# Altium PCB Driver_BLDC.PcbDoc (part 1 of 3) (continued)
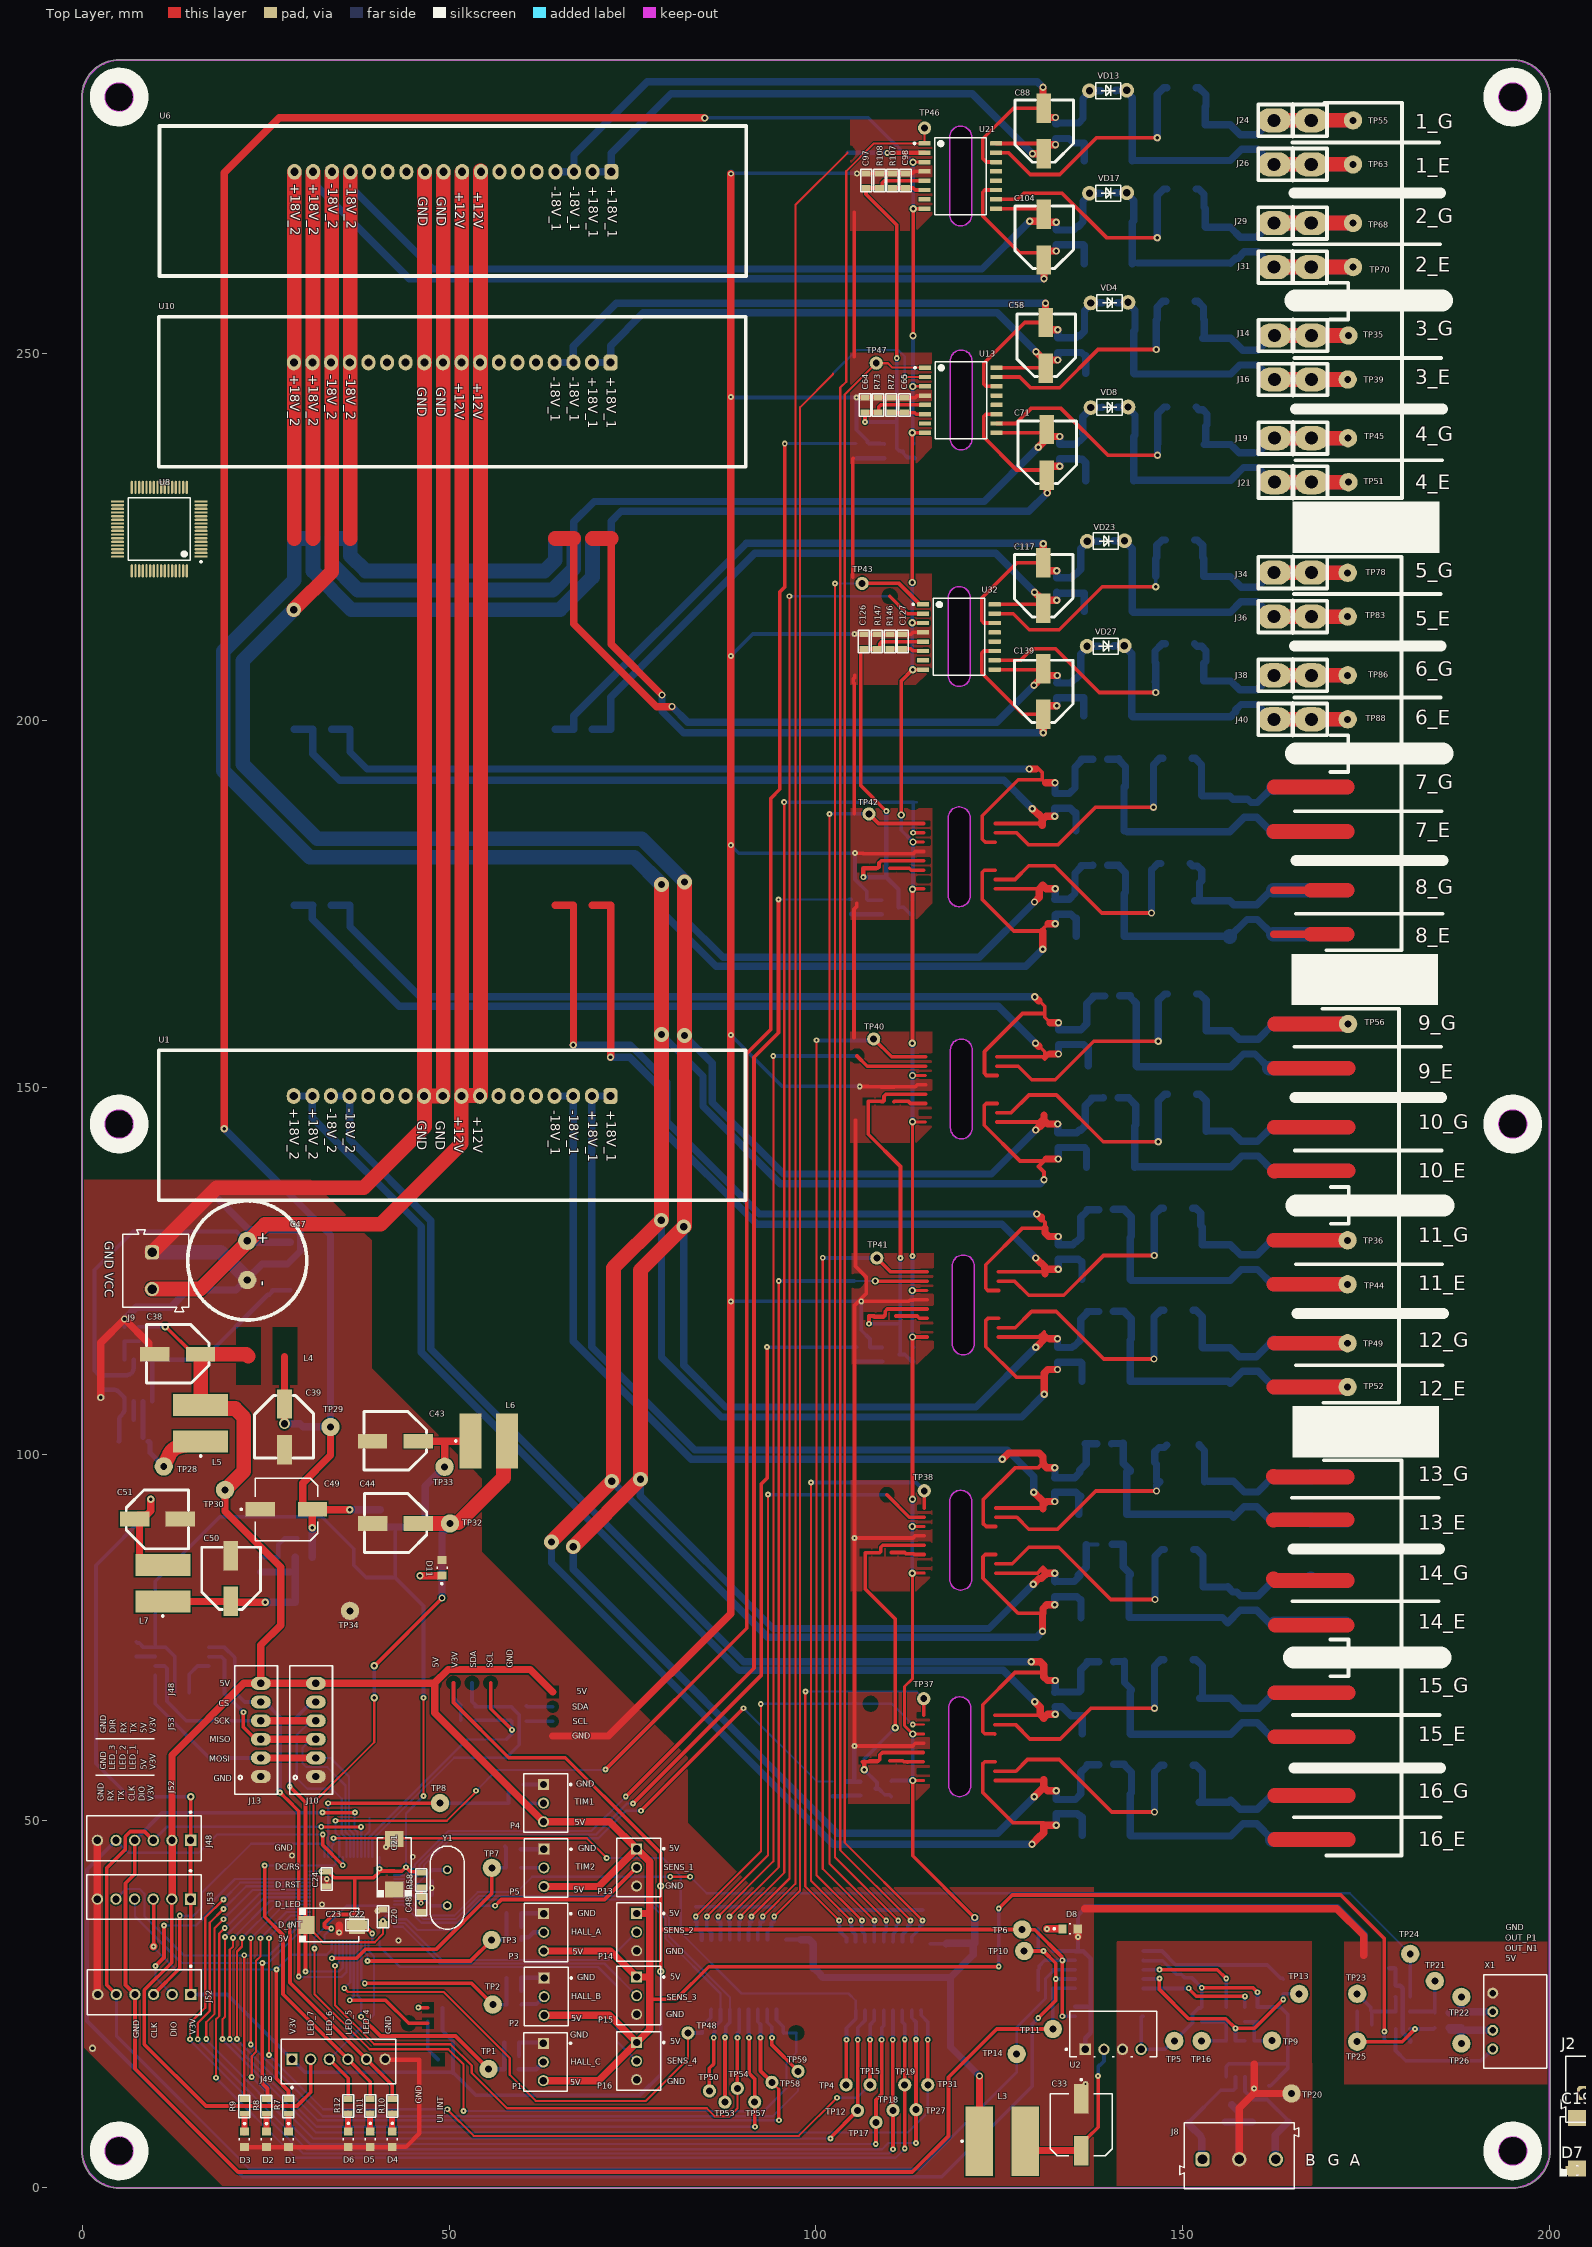
[diagram p0: Top Layer view]
## Components (designator, comment, footprint, x,y, rotation, side; value= is the part's Value field where it differs from the comment) (continued)
R16 "10K" RES-0805 105.705,19.775 r90 bottom
R17 "10K" RES-0805 107.375,19.775 r90 bottom
R18 "10K" RES-0805 108.965,19.775 r90 bottom
R19 "10K" RES-0805 110.475,19.775 r90 bottom
R20 "10K" RES-0805 112.105,19.775 r90 bottom
R21 "10K" RES-0805 113.65,19.775 r90 bottom
R22 "20K" RES-0805 59.087,52.421 r180 bottom
R23 "20K" RES-0805 58.757,43.591 r180 bottom
R24 "10K" RES-0805 161.732,12.892 r90 bottom
R25 "10K" RES-0805 131.303,29.712 r180 bottom
R26 "10K" RES-0805 160.207,23.632 r90 bottom
R27 "10K" RES-0805 152.592,23.632 r90 bottom
R28 "10K" RES-0805 131.303,27.172 r180 bottom
R29 "30K" RES-0805 59.087,54.961 r180 bottom
R30 "30K" RES-0805 58.757,46.131 r180 bottom
R31 "10K" RES-0805 115.25,19.775 r90 bottom
R32 "100" RES-0805 158.477,23.632 r90 bottom
R33 "10K" RES-0805 103.17,36.851 r270 bottom
R34 "10K" RES-0805 104.726,36.851 r270 bottom
R35 "10K" RES-0805 106.271,36.851 r270 bottom
R36 "100" RES-0805 155.937,23.632 r90 bottom
R37 "10K" RES-0805 107.94,36.851 r270 bottom
R38 "10K" RES-0805 163.712,27.412 r270 bottom
R39 "220" RES-0805 131.303,35.287 r180 bottom
R40 "10K" RES-0805 131.303,32.252 r180 bottom
R41 "10K" RES-0805 156.662,12.292 r90 bottom
R42 "10K" RES-0805 109.58,36.851 r270 bottom
R43 "10K" RES-0805 111.225,36.851 r270 bottom
R44 "10K" RES-0805 112.915,36.851 r270 bottom
R45 "10K" RES-0805 114.534,36.851 r270 bottom
R46 "220" RES-0805 84.49,20.075 r90 bottom
R47 "220" RES-0805 86.065,20.07 r90 bottom
R49 "10K" RES-0805 185.363,23.818 r180 bottom locked
R50 "1K" RES-0805 180.013,25.998 r180 bottom locked
R51 "10K" RES-0805 185.363,21.808 r180 bottom locked
R52 "47K" RES-0805 180.013,27.838 r180 bottom locked
R53 "10K" RES-0805 174.793,22.188 r0 bottom locked
R54 "0.33" RES-2512 27.1,125.6 r270 bottom
R55 "220" RES-0805 48.065,83.377 r0 bottom
R56 "3.8K" RES-0805 7.64,116.369 r270 bottom
R57 "1.2K" RES-0805 5.74,116.369 r270 bottom
R58 "10K" RES-0805 46.195,41.924 r90 top
R59 "10K" RES-0805 39.159,51.407 r270 bottom
R60 "10" RES-2512 149.672,253.358 r0 bottom
R61 "10K" RES-0805 159.692,249.478 r90 bottom
R62 "1K" RES-2512 140.056,248.538 r180 bottom
R72 "100K" RES-0805 110.263,243.012 r270 top
R73 "10K" RES-0805 108.473,243.022 r270 top
R76 "3K" RES-0805 113.561,236.72 r270 bottom
R77 "10" RES-2512 149.856,238.928 r0 bottom
R81 "10K" RES-0805 159.672,235.498 r90 bottom
R82 "1K" RES-2512 140.042,233.928 r180 bottom
R84 "1K" RES-0805 105.494,236.77 r270 bottom
R88 "10K" RES-0805 107.415,236.77 r90 bottom
R92 "10" RES-2512 149.81,282.443 r0 bottom
R95 "10K" RES-0805 159.5,278.873 r90 bottom
R96 "1K" RES-2512 139.87,277.513 r180 bottom
R104 "3K" RES-0805 113.162,174.563 r270 bottom
R107 "100K" RES-0805 110.45,273.603 r270 top
R108 "10K" RES-0805 108.667,273.603 r270 top
R111 "1K" RES-0805 104.803,174.643 r270 bottom
R113 "10K" RES-0805 106.937,174.643 r90 bottom
R115 "10" RES-2512 149.81,268.563 r0 bottom
R118 "10K" RES-0805 159.59,264.903 r90 bottom
R119 "1K" RES-2512 139.87,263.513 r180 bottom
R131 "10" RES-2512 149.605,220.869 r0 bottom
R132 "3K" RES-0805 113.348,113.575 r270 bottom
R135 "10K" RES-0805 159.73,217.184 r90 bottom
R136 "1K" RES-2512 139.86,216.114 r180 bottom
R140 "1K" RES-0805 105.53,113.575 r270 bottom
R143 "10K" RES-0805 107.37,113.575 r90 bottom
R146 "100K" RES-0805 110.095,210.764 r270 top
R147 "10K" RES-0805 108.315,210.764 r270 top
R149 "10" RES-2512 149.61,206.614 r0 bottom
R152 "10K" RES-0805 159.55,203.184 r90 bottom
R153 "1K" RES-2512 139.8,201.873 r180 bottom
TP1 "" Test_Point#1 55.372,16.167 r0 top
TP2 "" Test_Point#1 55.948,24.951 r0 top
TP3 "" Test_Point#1 55.793,33.754 r0 top
TP4 "Test_Point_PCB" Test_Point#2 104.125,14.011 r0 top
TP5 "Test_Point_PCB" Test_Point#1 148.858,20.002 r0 top
TP6 "" Test_Point#1 128.125,35.198 r90 top
TP7 "" Test_Point#1 55.823,43.591 r90 top
TP8 "" Test_Point#1 48.75,52.421 r90 top
TP9 "Test_Point_PCB" Test_Point#1 162.184,20.027 r0 top
TP10 "Test_Point_PCB" Test_Point#1 128.397,32.252 r90 top
TP11 "Test_Point_PCB" Test_Point#1 132.303,21.628 r180 top
TP12 "Test_Point_PCB" Test_Point#2 105.675,10.5 r90 top
TP13 "Test_Point_PCB" Test_Point#1 165.876,26.412 r90 top
TP14 "Test_Point_PCB" Test_Point#1 127.375,18.224 r180 top
TP15 "Test_Point_PCB" Test_Point#2 107.375,14.011 r90 top
TP16 "" Test_Point#1 152.592,20.002 r0 top
TP17 "Test_Point_PCB" Test_Point#2 108.2,8.9 r90 top
TP18 "Test_Point_PCB" Test_Point#2 110.512,10.537 r90 top
TP19 "Test_Point_PCB" Test_Point#2 112.105,14.011 r90 top
TP20 "Test_Point_PCB" Test_Point#1 164.842,12.822 r90 top
TP21 "Test_Point_PCB" Test_Point#1 184.373,28.158 r180 top locked
TP22 "Test_Point_PCB" Test_Point#1 187.993,25.998 r180 top locked
TP23 "Test_Point_PCB" Test_Point#1 173.793,26.418 r180 top locked
TP24 "Test_Point_PCB" Test_Point#1 181.023,31.868 r180 top locked
TP25 "Test_Point_PCB" Test_Point#1 173.793,19.891 r180 top locked
TP26 "Test_Point_PCB" Test_Point#1 187.993,19.638 r180 top locked
TP27 "Test_Point_PCB" Test_Point#2 113.65,10.625 r90 top
TP28 "Test_Point_PCB" Test_Point#1 11.09,98.319 r90 top
TP29 "Test_Point_PCB" Test_Point#1 33.83,103.699 r90 top
TP30 "Test_Point_PCB" Test_Point#1 19.45,95.125 r90 top
TP31 "Test_Point_PCB" Test_Point#2 115.25,14.011 r90 top
TP32 "Test_Point_PCB" Test_Point#1 50.111,90.534 r270 top
TP33 "Test_Point_PCB" Test_Point#1 49.38,98.269 r270 top
TP34 "Test_Point_PCB" Pin_Test_Point(Orange) 36.475,78.625 r90 top
TP35 "Test_Point_PCB" Test_Point#1 172.592,252.498 r90 top
TP36 "Test_Point_PCB" Test_Point#1 172.486,129.149 r90 top
TP37 "Test_Point_PCB" Test_Point#2 114.699,66.652 r90 top
TP38 "Test_Point_PCB" Test_Point#2 114.769,94.997 r90 top
TP39 "Test_Point_PCB" Test_Point#1 172.502,246.498 r90 top
TP40 "Test_Point_PCB" Test_Point#2 107.875,156.6 r90 top
TP41 "Test_Point_PCB" Test_Point#2 108.303,126.725 r90 top
TP42 "Test_Point_PCB" Test_Point#2 107.225,187.275 r90 top
TP43 "Test_Point_PCB" Test_Point#2 106.292,218.7 r90 top
TP44 "Test_Point_PCB" Test_Point#1 172.486,123.149 r90 top
TP45 "Test_Point_PCB" Test_Point#1 172.542,238.498 r90 top
TP46 "Test_Point_PCB" Test_Point#2 114.815,280.779 r90 top
TP47 "Test_Point_PCB" Test_Point#2 108.225,248.725 r90 top
TP48 "Test_Point_PCB" Test_Point#2 82.55,21.08 r90 top
TP49 "Test_Point_PCB" Test_Point#1 172.486,115.109 r90 top
TP50 "Test_Point_PCB" Test_Point#2 85.475,13.174 r90 top
TP51 "Test_Point_PCB" Test_Point#1 172.592,232.498 r90 top
TP52 "Test_Point_PCB" Test_Point#1 172.486,109.149 r90 top
TP53 "Test_Point_PCB" Test_Point#2 87.6,11.65 r90 top
TP54 "Test_Point_PCB" Test_Point#2 89.291,13.536 r90 top
TP55 "Test_Point_PCB" Test_Point#1 173.226,281.823 r90 top
TP56 "Test_Point_PCB" Test_Point#1 172.554,158.639 r90 top
TP57 "Test_Point_PCB" Test_Point#2 91.65,11.675 r90 top
TP58 "Test_Point_PCB" Test_Point#2 94,14.35 r90 top
TP59 "Test_Point_PCB" Test_Point#2 97.575,15.854 r90 top
TP63 "Test_Point_PCB" Test_Point#1 173.226,275.823 r90 top
TP68 "Test_Point_PCB" Test_Point#1 173.226,267.823 r90 top
TP70 "Test_Point_PCB" Test_Point#1 173.226,261.823 r90 top
TP78 "Test_Point_PCB" Test_Point#1 172.5,220.144 r90 top
TP83 "Test_Point_PCB" Test_Point#1 172.5,214.174 r90 top
TP86 "Test_Point_PCB" Test_Point#1 172.5,206.174 r90 top
TP88 "Test_Point_PCB" Test_Point#1 172.5,200.174 r90 top
U1 "DC-DC" DC-DC_Bridge 10.395,150.109 r180 top locked
U2 "B0505S-1W" B0505S-1W 140.533,20.947 r0 top locked
U3 "MAX485" SOIC-8-MFG 157.842,17.562 r270 bottom
U4 "ADUM1401BRWZ" ADI-RW-16_M 139.993,27.807 r0 bottom
U5 "" SOT-23-5 180.013,22.818 r270 bottom locked
U6 "DC-DC" DC-DC_Bridge 10.505,276.109 r180 top locked
U7 "MC34063" SOIC-8_M 7.64,110.009 r90 bottom
U8 "STM32F722RET6" LQFP64-5W-IPC_A 10.485,226.109 r180 top locked
U9 "AMS1117-3v3" SOT-223-3 43.71,90.059 r90 bottom
U10 "DC-DC" DC-DC_Bridge 10.415,250.109 r180 top locked
U11 "AMS1117-3v3" SOT-223-3 29.02,82.869 r0 bottom
U13 "UCC21520DW" FP-DW0016B-MFG 119.762,243.668 r0 top
U15 "W25Q128" WINB-SOIC-8_M 13.568,71.742 r180 bottom
U16 "SN74HC541DWR" DW0020A_L 109.875,28.85 r90 bottom
U21 "UCC21520DW" FP-DW0016B-MFG 119.69,274.233 r0 top
U32 "UCC21520DW" FP-DW0016B-MFG 119.5,211.394 r0 top
VD2 "SMBJ18CA" DO-214AA 156.542,247.618 r90 bottom
VD4 "5.1V" DO-35 140.056,256.956 r180 top
VD6 "SMBJ18CA" DO-214AA 156.542,233.138 r90 bottom
VD8 "5.1V" DO-35 140.056,242.698 r180 top
VD11 "SMBJ18CA" DO-214AA 156.49,276.723 r90 bottom
VD13 "5.1V" DO-35 139.87,285.883 r180 top
VD15 "SMBJ18CA" DO-214AA 156.5,262.763 r90 bottom
VD17 "5.1V" DO-35 139.87,271.913 r180 top
VD21 "SMBJ18CA" DO-214AA 156.51,215.144 r90 bottom
VD23 "5.1V" DO-35 139.57,224.474 r180 top
VD25 "SMBJ18CA" DO-214AA 156.55,200.904 r90 bottom
VD27 "5.1V" DO-35 139.54,210.153 r180 top
X1 "CONN-4-PIN" CONN-PLS-4-2.54mm 192.275,18.9 r90 top locked
Y1 "FOXSLF/120-20" FOX-FOXSLF-2_V 49.737,40.886 r90 top
ZD1 "P6SMB16CA" DO-214AA 164.272,8.862 r180 bottom
ZD2 "P6SMB16CA" DO-214AA 151.187,8.862 r0 bottom

## Footprints (in the part's own frame and the unit in brackets; to place one, negate y for a bottom-side part, rotate by r counter-clockwise, add the part's x,y. Pads: shape width x height; smd on the part's side, far side on the other; paste and mask are expansions set on the pad)
61900311121 [mm] "2.54mm Male Locking Header, 3p"
  rect 1.5x1.5 hole 1: 1(2.54,0.3)
  round 1.5 hole 1: 2(0,0.3) 3(-2.54,0.3)
  silkscreen extent -3.98,-3.52 3.98,2.98, body extent -3.81,-2.9 3.81,2.9, height 11.53
691101710002 [mm] "5,00mm - modular - blue - Horizontal entry with pressure clamp - 12,6mm height - 02p"
  rrect50% 1.95x1.95 hole 1.3: 1(-2.5,-0.5)
  round 1.95 hole 1.3: 2(2.5,-0.5)
  silkscreen extent -5.6,-4.5 5.6,4.5, body extent -5.6,-4.5 5.6,4.5, height 12.65
691101710003 [mm] "5,00mm - modular - blue - Horizontal entry with pressure clamp - 12,6mm height - 03p"
  rrect50% 1.95x1.95 hole 1.3: 1(-5,-0.5)
  round 1.95 hole 1.3: 2(0,-0.5) 3(5,-0.5)
  silkscreen extent -8.1,-4.5 8.1,4.5, body extent -8.1,-4.5 8.1,4.5, height 12.65
ADI-RW-16_M [mm] "SOIC, 16-Leads, Body 10.3x7.5mm, Pitch 1.27mm, IPC Low Density"
  oval 2.6x0.7 smd: 1(-4.625,4.445) 2(-4.625,3.175) 3(-4.625,1.905) 4(-4.625,0.635) 5(-4.625,-0.635) 6(-4.625,-1.905) 7(-4.625,-3.175) 8(-4.625,-4.445) 9(4.625,-4.445) 10(4.625,-3.175) 11(4.625,-1.905) 12(4.625,-0.635) 13(4.625,0.635) 14(4.625,1.905) 15(4.625,3.175) 16(4.625,4.445)
  silkscreen extent -4.75,-5.25 2.93,5.47, body extent -3.8,-5.25 3.8,5.25, height 2.65
B6B-XH-TW [mm]
  oval 1.75x2.7 hole 1: 1(-6.35,-0.635) 2(-3.81,-0.635) 3(-1.27,-0.635) 4(1.27,-0.635) 5(3.81,-0.635) 6(6.35,-0.635)
  silkscreen extent -8.76,-2.92 8.76,2.92, body extent -8.75,-2.88 8.75,2.88, height 6.88
B0505S-1W [mm]
  rect 1.55x1.55 hole 1 paste-2539.97 mask+0: 1(-3.81,-2.1)
  round 1.55 hole 1 paste-2539.97 mask+0: 2(-1.27,-2.1) 3(1.27,-2.1) 4(3.81,-2.1)
  silkscreen extent -6.52,-3.13 5.92,3.13, body extent -6.02,-3.22 6.02,3.22, height 0.25
CAP-0805 [mm]
  rect 0.8x1.25 smd mask+0.015: 1(-1,0) 2(1,0)
  silkscreen extent -1.52,-0.76 1.52,0.76, body extent -1,-0.62 1,0.63, height 0.8
CAP-TAN-D [mm]
  rect 2.2x2.5 smd: 1(-3.45,0) 2(3.45,0)
  silkscreen extent -4.5,-2.4 3.65,2.4, body extent -3.8,-2.3 3.8,2.3, height 4
CAP_SMD_Size_E [mm]
  rect 4x2 smd: 1(3.175,0) 2(-3.048,0)
  silkscreen extent -4.19,-3.94 4.32,4.06, body extent -4.25,-4 4.25,4, height 10.59
CAP_SMD_Size_G [mm]
  rect 4x2 smd paste+0 mask+0: 1(3.55,0) 2(-3.55,0)
  silkscreen extent -6.27,-4.25 4.25,4.25, body extent -5.8,-4.5 5.8,4.5, height 0.25
CONN-PLS-4-2.54mm [mm]
  round 1.5 hole 0.9: 1(0,0) 2(2.54,0) 3(5.08,0) 4(7.62,0)
  silkscreen extent -2.6,-7.37 10.15,1.25, body extent -2.45,-7.3 10.05,0.3, height 5.9
DC-DC_Bridge [mm]
  rrect50% 1.905x2.159 hole 1.1: 1(-61.595,1.294)
  oval 1.905x2.159 hole 1.1: 2(-59.055,1.294) 3(-56.515,1.294) 4(-53.975,1.294) 5(-51.435,1.294) 6(-48.895,1.294) 7(-46.355,1.294) 8(-43.815,1.294) 9(-41.275,1.294) 10(-38.735,1.294) 11(-36.195,1.294) 12(-33.655,1.294) 13(-31.115,1.294) 14(-28.575,1.294) 15(-26.035,1.294) 16(-23.495,1.294) 17(-20.955,1.294) 18(-18.415,1.294)
  silkscreen extent -80.01,-4.95 -0.01,15.5, body extent -80,-4.89 0,15.5, height 84
DO-35 [mm]
  round 2 hole 1: 1(-2.5,-0.05) 2(2.575,0.025)
  silkscreen extent -1.68,-1.1 1.75,1.1, body extent -2.82,-0.9 2.82,0.9, height 1.82
DO-214AA [mm]
  rect 2.4x2.4 smd: 1(-0.381,0) 2(4.5,0)
  silkscreen extent 1.02,-1.91 6.35,1.91, body extent -0.75,-1.97 4.85,1.97, height 2.65
DW0020A_L [mm] "SOIC, 20-Leads, Body 13x7.6mm, Pitch 1.27mm, IPC High Density"
  rrect18% 1.7x0.55 smd: 1(-4.65,5.715) 2(-4.65,4.445) 3(-4.65,3.175) 4(-4.65,1.905) 5(-4.65,0.635) 6(-4.65,-0.635) 7(-4.65,-1.905) 8(-4.65,-3.175) 9(-4.65,-4.445) 10(-4.65,-5.715) 11(4.65,-5.715) 12(4.65,-4.445) 13(4.65,-3.175) 14(4.65,-1.905) 15(4.65,-0.635) 16(4.65,0.635) 17(4.65,1.905) 18(4.65,3.175) 19(4.65,4.445) 20(4.65,5.715)
  silkscreen extent -4.77,-6.5 3.4,6.67, body extent -5.16,-6.4 5.16,6.4, height 2.52
FOX-FOXSLF-2_V [mm] "THD, 2-Leads, Body 11.35x4.65mm, Pitch 4.88mm"
  round 1.2 hole 0.7: 1(-2.44,0) 2(2.44,0)
  silkscreen extent -5.68,-2.32 5.68,2.32, body extent -5.67,-2.32 5.68,2.32, height 3.6
FP-C0805C-DN-MFG [mm]
  rect 0.95x1.35 smd paste+0 mask+0: 1(-0.75,0) 2(0.75,0)
  silkscreen extent -1.1,-1.07 1.1,1.07, body extent -1,-0.63 1,0.63, height 0.88
FP-DW0016B-MFG [mm]
  rrect17% 1.65x0.6 smd paste+0 mask+0: 1(-4.875,4.445) 2(-4.875,3.175) 3(-4.875,1.905) 4(-4.875,0.635) 5(-4.875,-0.635) 6(-4.875,-1.905) 7(-4.875,-3.175) 8(-4.875,-4.445) 9(4.875,-4.445) 10(4.875,-3.175) 11(4.875,-1.905) 12(4.875,-0.635) 13(4.875,0.635) 14(4.875,1.905) 15(4.875,3.175) 16(4.875,4.445)
  silkscreen extent -6.37,-5.25 3.5,5.25, body extent -5.15,-5.15 5.15,5.15, height 2.65
FP-GRM21B-0_1-IPC_C [mm]
  rect 0.958x1.262 smd paste+0 mask+0: 1(-0.727,0) 2(0.727,0)
  silkscreen extent -1.21,-1.07 1.21,1.07, body extent -1,-0.63 1,0.63, height 1.35
"HITANO 3300uF 25V  16x25" [mm]
  round 2.5 hole 1: 1(-2.667,0) 2(2.667,0)
  silkscreen extent -8.12,-8.12 8.12,8.12, body extent -8.15,-8.14 8.16,8.16, height 25.87
INF-SOT23_N [mm] "SOT23, 3-Leads, Body 2.9x1.3 mm, Pitch 0.95 mm, IPC Medium Density"
  rect 1.05x0.6 smd: 1(-1.15,0.95) 2(-1.15,-0.95) 3(1.15,0)
  silkscreen extent -1.27,-1.5 0.7,1.92, body extent -0.7,-1.5 0.7,1.5, height 1.1
Klema_PCB_15A [mil]
  oval 180x130 hole 70: 1(-100,0) 1(100,0)
  silkscreen extent -185,-85 185,85, body extent -161,-16 161,16, height 505
LED_BLUE [mm]
  rect 1.1x1.2 smd paste+0 mask+0: 1(-1.05,0) 2(1.05,0)
  silkscreen extent -2.27,-0.67 0.13,0.67, body extent -1,-0.63 1,0.63, height 0.8
LED_GREEN [mm]
  rect 1.1x1.2 smd paste+0 mask+0: 1(-1.05,0) 2(1.05,0)
  silkscreen extent -2.27,-0.67 0.13,0.67, body extent -1,-0.63 1,0.63, height 0.8
LED_RED [mm]
  rect 1.1x1.2 smd paste+0 mask+0: 1(-1.05,0) 2(1.05,0)
  silkscreen extent -2.27,-0.67 0.13,0.67, body extent -1.7,-0.77 1.7,0.77, height 0.25
LED_YELLOW [mm]
  rect 1.1x1.2 smd paste+0 mask+0: 1(-1.05,0) 2(1.05,0)
  silkscreen extent -2.27,-0.67 0.13,0.67, body extent -1,-0.63 1,0.63, height 0.8
LQFP64-5W-IPC_A [mm]
  rect 1.788x0.312 smd paste+0 mask+0: 1(-5.691,3.75)
  rrect100% 1.788x0.312 smd paste+0 mask+0: 2(-5.691,3.25) 3(-5.691,2.75) 4(-5.691,2.25) 5(-5.691,1.75) 6(-5.691,1.25) 7(-5.691,0.75) 8(-5.691,0.25) 9(-5.691,-0.25) 10(-5.691,-0.75) 11(-5.691,-1.25) 12(-5.691,-1.75) 13(-5.691,-2.25) 14(-5.691,-2.75) 15(-5.691,-3.25) 16(-5.691,-3.75) 33(5.691,-3.75) 34(5.691,-3.25) 35(5.691,-2.75) 36(5.691,-2.25) 37(5.691,-1.75) 38(5.691,-1.25) 39(5.691,-0.75) 40(5.691,-0.25) 41(5.691,0.25) 42(5.691,0.75) 43(5.691,1.25) 44(5.691,1.75) 45(5.691,2.25) 46(5.691,2.75) 47(5.691,3.25) 48(5.691,3.75)
  rrect100% 0.312x1.788 smd paste+0 mask+0: 17(-3.75,-5.691) 18(-3.25,-5.691) 19(-2.75,-5.691) 20(-2.25,-5.691) 21(-1.75,-5.691) 22(-1.25,-5.691) 23(-0.75,-5.691) 24(-0.25,-5.691) 25(0.25,-5.691) 26(0.75,-5.691) 27(1.25,-5.691) 28(1.75,-5.691) 29(2.25,-5.691) 30(2.75,-5.691) 31(3.25,-5.691) 32(3.75,-5.691) 49(3.75,5.691) 50(3.25,5.691) 51(2.75,5.691) 52(2.25,5.691) 53(1.75,5.691) 54(1.25,5.691) 55(0.75,5.691) 56(0.25,5.691) 57(-0.25,5.691) 58(-0.75,5.691) 59(-1.25,5.691) 60(-1.75,5.691) 61(-2.25,5.691) 62(-2.75,5.691) 63(-3.25,5.691) 64(-3.75,5.691)
  silkscreen extent -5.82,-4.25 4.25,4.58, body extent -7.09,-7.09 7.09,7.09, height 0.25
Pin_Test_Point(Orange) [mm]
  round 2.5 hole 0.95: 1(0,0)
  body extent -1.3,-1.78 1.3,1.78, height 6.93
RES-0805 [mm]
  rect 0.8x1.25 smd mask+0.015: 1(-1,0) 2(1,0)
  silkscreen extent -1.52,-0.76 1.52,0.76, body extent -1,-0.62 1,0.63, height 0.6
RES-2512 [mm]
  rect 1.8x1.45 smd: 1(-3.275,-1.225) 1(-3.275,1.225) 2(3.275,-1.225) 2(3.275,1.225)
  silkscreen extent -4.28,-2.05 4.25,2.05, body extent -3.2,-1.6 3.2,1.6, height 0.6
SOIC-8-MFG [mm]
  rect 1.98x0.53 smd paste+0 mask+0: 1(-2.465,1.905) 2(-2.465,0.635) 3(-2.465,-0.635) 4(-2.465,-1.905) 5(2.465,-1.905) 6(2.465,-0.635) 7(2.465,0.635) 8(2.465,1.905)
  silkscreen extent -4.27,-2.5 1.1,2.5, body extent -3,-2.45 3,2.45, height 1.75
SOIC-8_M [mm]
  rrect15% 1.65x0.65 smd: 1(-2.825,1.905) 2(-2.825,0.635) 3(-2.825,-0.635) 4(-2.825,-1.905) 5(2.825,-1.905) 6(2.825,-0.635) 7(2.825,0.635) 8(2.825,1.905)
  silkscreen extent -2.95,-2.5 1.6,2.91, body extent -3,-2.45 3,2.45, height 1.63
SOT-23-5 [mm]
  rect 0.9x0.65 smd: 1(-1.2,0.95) 2(-1.2,0) 3(-1.2,-0.95) 4(1.2,-0.95) 5(1.2,0.95)
  silkscreen extent -1.32,-1.55 0.35,1.95, body extent -1.4,-1.45 1.4,1.45, height 1.24
SOT-223-3 [mm]
  rect 0.95x1.9 smd: 1(-2.3,-3.05) 2(0,-3.05) 3(2.3,-3.05)
  rect 3.25x1.9 smd: 2(0,3.05)
  silkscreen extent -3.3,-4.2 3.3,4.2, body extent -3.25,-3.5 3.25,3.5, height 1.7
Sullins_SWR25X-NRTC-S06-ST-BA_MFG [mm]
  rect 1.55x1.55 hole 1 paste-2539.97 mask+0: 1(-6.35,0.3)
  round 1.55 hole 1 paste-2539.97 mask+0: 2(-3.81,0.3) 3(-1.27,0.3) 4(1.27,0.3) 5(3.81,0.3) 6(6.35,0.3)
  silkscreen extent -7.8,-3.67 7.8,3.05, body extent -7.9,-3.15 7.9,3.15, height 0.25
Test_Point#1 [mm]
  round 2.5 hole 0.95: 1(0,0)
Test_Point#2 [mm]
  round 1.8 hole 0.95: 1(0,0)
US1G_SMA [mm]
  rect 2.5x1.7 smd paste+0 mask+0: 1(-2,0) 2(2,0)
  silkscreen extent -3.93,-1.46 2.3,1.46, body extent -2.6,-1.3 2.6,1.3, height 2.4
WE-PD2_1054 [mm] "SMD Power Inductor, 2-Leads, body 10x9mm"
  rect 3.75x9.5 smd: 1(-1273.125,-1270) 2(-1266.875,-1270)
  silkscreen extent -1275.62,-1270.12 -1275.37,-1269.88, body extent -1275.04,-1274.5 -1264.96,-1265.5, height 5.43
WE-PD2_7850 [mm] "SMD Power Inductor, 2-Leads, body 7.8x7mm"
  rect 3x7.5 smd: 1(-2.5,0) 2(2.5,0)
  silkscreen extent -4.59,-0.13 -4.34,0.12, body extent -3.81,-3.5 3.81,3.5, height 4.95
WINB-SOIC-8_M [mm]
  oval 1.9x0.65 smd: 1(-3.65,1.905) 2(-3.65,0.635) 3(-3.65,-0.635) 4(-3.65,-1.905) 5(3.65,-1.905) 6(3.65,-0.635) 7(3.65,0.635) 8(3.65,1.905)
  silkscreen extent -3.78,-2.7 2.3,2.9, body extent -2.7,-2.7 2.7,2.7, height 2.16

## Part data
C1 C2 C3 C4 C6 C18 C25 C26 C27 C28 C29 C36 C40 C41 C42 C45 C46 C48 C52 C53 C54 C127: library part CAP-NON-POLAR
C8 C10: library part CMP-2007-03453-2, "Chip Multilayer Ceramic Capacitors for General Purpose, 0805, 16pF, X5R, 15%, 10%, 16V", Capacitance=10uF, Case Code (Imperial)=0805, Case Code (Metric)=2012, Dielectric=X5R, Max Operating Temperature=85°C, Min Operating Temperature=-55°C, Package Quantity=1, Tolerance=10%, Voltage=16V, Case/Package=0805, Depth=1.25mm, Height=1.25mm, Lead Free="Lead Free", Length=2mm, Material=Ceramic, Mount="Surface Mount", Packaging="Tape and Reel", Radiation Hardening=No, REACH SVHC="No SVHC", Termination=SMD/SMT, Thickness=0.053inch, Voltage Rating=16V, Voltage Rating (DC)=16V, Width=1.25mm
C9: library part CMP-1036-04552-2, "CAP CER 0.22UF 50V X7R 0805", Capacitance="0.22 μF", Manufacturer=KEMET, Package=C0805C-DN, Temperature="-55°C to +125°C", Temperature Characteristic=X7R, Temperature Coefficient=30ppm/°C, Temperature Range High=+125°C, Temperature Range Low=-55°C, Tolerance=0.1, Voltage Rating="50 V", Automotive=No, Category=Cap, ComponentLink2Description=Datasheet, ComponentLink2URL=https://content.kemet.com/datasheets/KEM_C1003_C0G_SMD.pdf, Device Class L1="Passive Components", Device Class L2=Capacitors, Device Class L3="Ceramic Capacitors", Digikey Description="CAP CER 0.22UF 50V X7R 0805", Height=0.88mm, Ipc Land Pattern Name=CAPC200125X78, Lead Free=Yes, Manufacturer Part Number=C0805C224K5RACTU, Material=Ceramic, Mouser Description="CAP CER 0.22UF 50V X7R 0805", Octopart=https://octopart.com/c0805c224k5ractu-kemet-144670, RoHS=TRUE
C11 C38 C39: library part CAP_POL_SMD
C33 C43 C44 C47 C49 C50 C51 C58 C71 C88 C104 C117 C139: library part CAP-POLAR
D1 D2 D3 D4 D5 D6 D7 D9 D11: library part LED, "WURTH ELEKTRONIK - 151031YS06000 - LED, Yellow, Through Hole, T-1 (3mm), 30 mA, 2 V, 590 nm", Manufacturer_Name="Wurth Elektronik", Mouser Part Number=710-151031YS06000, Datasheet Link=https://katalog.we-online.de/led/datasheet/151031YS06000.pdf, Geometry.Height=5.5mm, Manufacturer_Part_Number=151031YS06000, Mouser Price/Stock=https://www.mouser.co.uk/ProductDetail/Wurth-Elektronik/151031YS06000?qs=LlUlMxKIyB3xSYYW%252BcuBiQ%3D%3D
D8: "WURTH ELEKTRONIK - 151031YS06000 - LED, Yellow, Through Hole, T-1 (3mm), 30 mA, 2 V, 590 nm", Manufacturer_Name="Wurth Elektronik", Manufacturer_Part_Number=151031YS06000, Mouser Part Number=710-151031YS06000, Datasheet Link=https://katalog.we-online.de/led/datasheet/151031YS06000.pdf, Geometry.Height=5.5mm, Mouser Price/Stock=https://www.mouser.co.uk/ProductDetail/Wurth-Elektronik/151031YS06000?qs=LlUlMxKIyB3xSYYW%252BcuBiQ%3D%3D
J1 J8: library part 691101710003, "WR-TBL Series 101 Horizontal Entry Modular, Through Hole, pitch 5mm, 3p", Manufacturer="Wurth Elektronik", Operating Temperature Max=105°C, Operating Temperature Min=-40°C, Rated Current=16A, Working Voltage=250V, Application="Pressure Clamp", Category="Terminal Blocks", ComponentLink1Description="Manufacturer Link", ComponentLink1URL=https://www.we-online.com/redexpert/article/691101710003?ad, ComponentLink2Description=Datasheet, ComponentLink2URL=https://www.we-online.com/redexpert/spec/691101710003?ad, Manufacturer Part Number=691101710003, Match Code=WR-TBL, Modularity=Yes, Mount="Through Hole", Orientation=Horizontal, Packaging=Box, PCB/Cable/Panel=PCB, Pin Number=3, Pitch=5mm
J2 J9: "WR-TBL Series 101 Horizontal Entry Modular, THT, pitch 5mm, 2p", Manufacturer="Wurth Elektronik", Operating Temperature Max=105°C, Operating Temperature Min=-40°C, Rated Current=16A, Working Voltage=250V, Application="Pressure Clamp", Category="Terminal Blocks", ComponentLink1Description="Website Link", ComponentLink1URL=https://www.we-online.com/redexpert/article/691101710002?ad, ComponentLink2Description="Datasheet Link", ComponentLink2URL=https://www.we-online.com/redexpert/spec/691101710002?ad, Manufacturer Part Number=691101710002, Match Code=WR-TBL, Modularity=Yes, Mount="Through Hole", Number of Pins=2, Number of Rows=1, Orientation=Horizontal, Packaging=Box, Pitch=5mm
J14 J16 J19 J21 J24 J26 J29 J31 J34 J36 J38 J40: library part Klema_15_A
J48 J49 J52 J53: library part SWR25X-NRTC-S06-ST-BA
L3 L4: library part CMP-0227-00501-2, Ambient Temperature Range High=85°C, Ambient Temperature Range Low=-40°C, Current Rating=620mA, DC Resistance (DCR)=500mΩ, Inductance=270µH, Max Operating Temperature=125°C, Self Resonant Frequency=4MHz, Height=5.4mm, Length=9mm, Min Operating Temperature=-40°C, NexarPartId=24533346, Packaging=Digi-Reel®, RoHS=Compliant, Width=10mm
L5 L6 L7: library part 74477530, "WE-PD2 SMT Power Inductor, size 7850, 1000µH, 0.3A, 3.3Ω", Case/Size Code=7850, DC Resistance=2.78Ω, DC Resistance Max=3.3Ω, Inductance=1000µH, Manufacturer="Wurth Elektronik", Operating Temperature Max=125°C, Operating Temperature Min=-40°C, Rated Current=0.3A, Self Resonant Frequency=2.4MHz, Category="Unshielded Power Inductors", ComponentLink1Description="Website Link", ComponentLink1URL=https://www.we-online.com/redexpert/article/74477530?ad, ComponentLink2Description="Datasheet Link", ComponentLink2URL=https://www.we-online.com/redexpert/spec/74477530?ad, Height=4.95mm, Length=7.8mm, Manufacturer Part Number=74477530, Match Code=WE-PD2, Mount="Surface Mount", Packaging="Tape and Reel", Saturation Current=0.3A, Width=7mm, Simulation ModelName=7850_74477530_1m, Simulation ModelText="******* / .subckt 7850_74477530_1m 1 2 / Rp 1 2 187304.915771 / Cp 1 2 4.36976277949p / Rs 1 N3 3.3 / L1 N3 2 1000u / .ends 7850_74477530_1m", Simulation PortMap=(1:1),(2:2)
P1 P2 P3 P4 P5 P13 P14 P15 P16: "WR-WTB THT Male Vertical Locking Header, pitch 2.54mm, 3p", Contact Resistance=20mOhm, Operating Temperature="-40 to +105degC", Rated Current=3A, Withstanding Voltage=1000VAC, Working Voltage=250VAC, ComponentLink1Description=Manufacturer, ComponentLink1URL=http://www.we-online.de, ComponentLink2Description=Datasheet, ComponentLink2URL=https://www.we-online.com/catalog/datasheet/61900311121.pdf, Gender=Male, Mounting Technology=THT, Packaging=Bag, Part Number=61900311121, Pin Number=3, Pitch=2.54mm, Published Date="January 2020", Publisher="Wurth Elektronik", Type=Vertical
Q1 Q2 Q3: library part BC847C_Infineon, "NPN Silicon AF Transistor, 45 V VCEO, 100 mA IC, SOT23, Reel, Green", Manufacturer=Infineon, ComponentLink1Description="Manufacturer URL", ComponentLink1URL=http://www.infineon.com/, ComponentLink2Description=Datasheet, ComponentLink2URL=http://www.infineon.com/dgdl/bc847series_bc848series_bc849series_bc850series.pdf?folderId=db3a304314dca389011541d30fa21656&fileId=db3a304314dca389011541d4630a1657, ComponentLink3Description="Package Specification", ComponentLink3URL=http://www.infineon.com/dgdl/SOT23-Package_Overview.pdf?folderId=db3a30431936bc4b0119532290053c66&fileId=db3a30431936bc4b0119533468123c85, fT (typ)="250Â MHz", Green=TRUE, IBM (max)="200Â mA", IC (max)="100Â mA", ICBO (max)="15Â nA", ICM (max)="200Â mA", Mounting Technology="Surface Mount", PackageDescription="3-Pin Small Outline Transistor Package, 1.3 x 2.9 mm Body, 0.95 mm Pitch", PackageReference=SOT23, PackageVersion=Apr-08, Packing=Reel, PartNumber=BC847C, Polarity=NPN, Ptot (max)="330Â mW", VCBO (max)="50Â V", VCEO (max)="45Â V", VEBO (max)="6Â V"
R1 R2 R3 R4 R5 R6 R7 R8 R9 R10 R11 R12 R13 R14 R15 R16 R17 R18 R19 R20 R21 R22 R23 R24 R25 R26 R27 R28 R29 R30 R31 R32 R33 R34 R35 R36 R37 R38 R39 R40 R41 R42 R43 R44 R45 R46 R47 R49 R50 R51 R52 R53 R54 R55 R57 R58 R59 R60 R61 R62 R72 R73 R76 R77 R81 R82 R84 R88 R92 R95 R96 R104 R107 R108 R111 R113 R115 R118 R119 R131 R132 R135 R136 R140 R143 R146 R147 R149 R152 R153: library part RES-CONST
R56: library part RES-CONST, "10K"
TP1 TP2 TP3 TP4 TP5 TP6 TP7 TP8 TP9 TP10 TP11 TP12 TP13 TP14 TP15 TP16 TP17 TP18 TP19 TP20 TP21 TP22 TP23 TP24 TP25 TP26 TP27 TP28 TP29 TP30 TP31 TP32 TP33 TP34 TP35 TP36 TP37 TP38 TP39 TP40 TP41 TP42 TP43 TP44 TP45 TP46 TP47 TP48 TP49 TP50 TP51 TP52 TP53 TP54 TP55 TP56 TP57 TP58 TP59 TP63 TP68 TP70 TP78 TP83 TP86 TP88: library part TP_PCB?, "Test_Point"
U1 U6 U10: library part DC-DC/12-18VDC
U4: library part CMP-0534-00565-1, "Quad Channel Digital Isolator, 2.5 KV rms Insulation Rating, 10 Mbps Data Rate, 50 ns Delay, Industrial, 16-pin SOIC (RW-16), Tube", Manufacturer="Analog Devices", Max Operating Temp (degreesC)=125, Code_JEDEC=MS-013-AA, ComponentLink1Description="Manufacturer URL", ComponentLink1URL=http://www.analog.com/en/index.html, ComponentLink2Description=Datasheet, ComponentLink2URL=http://www.analog.com/static/imported-files/data_sheets/ADuM1400_1401_1402.pdf, ComponentLink3Description="Package Specification", ComponentLink3URL=http://www.analog.com/static/imported-files/packages/PKG_PDF/SOIC_WIDE%20%28RW%29/RW_16.pdf, ComponentLink4Description="URL Link1", ComponentLink4URL="Product URL:http://www.analog.com/en/interface-isolation/digital-isolators/adum1401/products/product.html", ComponentLink5Description="URL Link2", ComponentLink5URL="Reference Circuit:http://www.analog.com/en/interface-isolation/digital-isolators/adum1401/products/product.html#product-recommendations", DatasheetVersion="Rev. H", Max Data Rate=10Mbps, Mounting Technology="Surface Mount", PackageDescription="16-Pin Standard Small Outline Package, Body 10.3 x 7.5 mm, Pitch 1.27 mm", PackageReference=RW-16, PackageVersion="032707-B, 03/2007", PartNumber=ADUM1401BRWZ
U5: library part MCP6001T, "IC OPAMP GP 1 CIRCUIT SOT23-5", Case/Package=SOT-23, Input Bias Current=1pA, Input Offset Voltage (Vos)=4.5mV, Max Operating Temperature=85°C, Max Supply Voltage=6V, Min Operating Temperature=-40°C, Min Supply Voltage=1.8V, Nominal Supply Current=100uA, Operating Supply Voltage=5.5V, Output Current=23mA, Package Quantity=1, Power Supply Rejection Ratio (PSRR)=86dB, Voltage Gain=112dB, Bandwidth=1MHz, Common Mode Rejection Ratio=60dB, Contact Plating=Tin, Gain Bandwidth Product=1MHz, Height=1.3mm, Lead Free="Lead Free", Length=3.1mm, Mount="Surface Mount", Number of Amplifiers=1, Number of Channels=1, Number of Circuits=1, Number of Elements=1, Number of Pins=5, Operating Supply Current=100uA, Output Current per Channel=23mA, Packaging="Tape and Reel", Radiation Hardening=No, REACH SVHC="No SVHC", Slew Rate=0.6V/µs, Unity Gain Bandwidth Product=1MHz, Voltage=6V, Width=1.8mm
U9 U11: library part AMS1117
VD2 VD6 VD11 VD15 VD21 VD25: library part Suppressor
VD4 VD8 VD13 VD17 VD23 VD27: library part ZENER
Y1: library part CMP-1749-00004-1, "Resistance Weld Thru-Hole Crystal, 12 MHz, +/-30 ppm, -20 to 70 degC, 2-Pin THD, RoHS, Bulk", Case\Package=TO-251-3, Input Capacitance="350 pF", Max Operating Temperature="150 degC", Max Power Dissipation="2.5 W", Min Operating Temperature="-55 degC", Package Quantity=70, ComponentLink1Description="Manufacturer URL", ComponentLink1URL=http://www.foxonline.com/, ComponentLink2Description=Datasheet, ComponentLink2URL=http://www.foxonline.com/pdfs/hc49slf.pdf, DatasheetVersion=Mar-15, Elements=1, Height="6.1 mm", Length="6.6 mm", Mount="Through Hole", PackageDescription="2-Pin Through Hole Device, Body 11.35 x 4.65 mm, Pitch 4.88 mm", PackageReference=FOXSLF-2, Packaging=Rail/Tube, Pins=3, Radiation Hardening=No, Rds On Max="115 mohm", REACH SVHC="No SVHC", RoHSCompliant=true, Typical Rise Time="90 ns", Width="2.3 mm"

## Via types
v1: diameter 1, hole 0.5, Top Layer to Bottom Layer, tented both sides, 118 vias
v2: diameter 0.8, hole 0.3, Top Layer to Bottom Layer, 112 vias
v3: diameter 0.8, hole 0.3, Top Layer to Bottom Layer, tented both sides, 64 vias
v4: diameter 2, hole 1, Top Layer to Bottom Layer, tented both sides, 11 vias
v5: diameter 1, hole 0.5, Top Layer to Bottom Layer, 9 vias
v6: diameter 0.8, hole 0.4, Top Layer to Bottom Layer, 5 vias
v7: diameter 0.8, hole 0.4, Top Layer to Bottom Layer, tented both sides, 2 vias
v8: diameter 0.7, hole 0.3, Top Layer to Bottom Layer, tented both sides, 1 vias
v9: diameter 1.5, hole 1, Top Layer to Bottom Layer, tented both sides, 1 vias

## Nets (pads, with @x,y where several pads share a name; then routed paths per layer and width w, separated by ;. In a path a pad name is that pad's centre, name@x,y a point inside that pad or via, vN(x,y) a via of type N, cw(c..) or ccw(c..) an arc to the next point about the centre after c; other vN are vias at no path point)
+3V3: C51.1 C52.2 J48.1 J49.1 J52.1 J53.1 L7.2 R25.2 R28.2 TP6.1 U4.1 U4.7 | length 319
  Top Layer w0.5: J53.1@14.747,39.332 J48.1@14.747,47.332 14.775,47.36 v1(14.775,53.275) ; J52.1@14.782,26.332 J53.1@14.782,39.287 ; 50.582,68.807 50.582,66.139 58.11,58.611 65.839,58.611 76.075,48.375 78.83,45.62 v1(78.83,41.11) 78.83,35.198 ; v1(78.83,29.455) 78.83,35.198 ; TP6.1@128.125,35.198 78.83,35.198 ; TP6.1@128.125,35.775 128.666,35.775 128.666,35.529 129.049,35.146 129.832,35.146 133.536,31.443 133.536,31.039 v3(133.593,30.982) v3(133.593,23.362)
  Top Layer w1: v1(9.3,93.834) 9.3,92.245 8.714,91.659 7.625,91.659 C51.1@7.125,91.159 7.79,90.659 7.79,85.899 L7.2@10.96,84.899
  Bottom Layer w0.5: v1(9.3,93.834) C52.2@9.3,92.302 1.85,84.852 1.85,57.8 6.375,53.275 v1(14.775,53.275) ; J52.1@14.782,26.332 19.741,26.332 J49.1@28.577,17.496 30.348,15.725 50.415,15.725 50.525,15.615 ; 49.087,24.536 49.087,22.696 49.087,21.396 50.525,19.958 50.525,15.725 53.638,12.612 76.017,12.612 78.83,15.425 v1(78.83,29.455) ; R28.2@130.303,26.947 R28.2@130.303,27.172 R25.2@130.303,29.712 130.453,29.862 130.453,30.224 131.211,30.982 v3(133.593,30.982) U4.7@135.368,30.982 ; v3(133.593,23.362) U4.1@135.368,23.362
+3V3_MCU: C4.2 C5.1 C12.1 C13.1 C14.1 C15.1 C16.1 C43.1 C46.2 L6.1 R13.1 R14.1 R58.2 TP33.1 U8.1 U8.19 U8.32 U8.48 U8.64 U9.2 U15.8 | length 175.3
  Top Layer w0.3: v3(46.49,53.385) 46.49,66.765 v3(46.5,66.775)
  Top Layer w0.5: v3(32.554,43.076) 33.317,43.076 33.542,43.076 33.692,42.926 33.692,42.869 34.332,42.228 37.149,42.228 ; v3(33.927,35.311) 33.846,35.311 33.734,35.423 33.157,35.423 33.007,35.573 33.007,35.798 33.007,36.023 34.213,37.228 37.149,37.228 ; 38.453,35.572 38.603,35.422 38.722,35.422 v3(39.507,34.637) ; 38.453,35.797 38.453,36.022 38.303,36.172 38.205,36.172 37.149,37.228 ; 40.529,43.066 39.691,42.228 37.149,42.228 ; v3@40.754,43.161 42.507,43.161 ; 42.545,43.113 43.551,43.113 v3(44.12,43.682) 44.726,43.076 45.527,43.076 45.53,43.074 46.045,43.074 R58.2@46.195,42.924 ; 37.149,37.228 37.149,42.228
  Top Layer w1: C43.1@47.265,101.259 C43.1@45.765,101.759 49.308,101.759 ; TP33.1@49.38,98.269 49.38,101.687 49.308,101.759 ; L6.1@52.88,101.789 52.85,101.759 49.308,101.759
  Bottom Layer w0.3: C5.1@9.95,79.83 C5.1@9.95,79.98 ; 31.007,43.076 v3(32.554,43.076) ; 33.007,33.576 33.007,34.391 v3(33.927,35.311) ; 39.507,33.576 v3(39.507,34.637) ; v3(40.507,43.473) 40.507,45.076 ; 42.507,43.076 42.509,43.078 43.516,43.078 v3(44.12,43.682) 44.12,51.015 v3(46.49,53.385)
  Bottom Layer w0.5: R13.1@7.35,74.397 7.5,74.247 7.742,74.247 8.342,73.647 U15.8@9.918,73.647 ; R14.1@12.568,67.465 R14.1@12.568,67.659 12.568,72.448 11.37,73.647 U15.8@9.918,73.647 ; 42.63,90.059 C46.2@42.63,85.339 42.63,83.17 ; v3(46.5,66.775) 46.5,79.3 42.63,83.17 ; U15.8@9.918,73.647 9.925,73.653 C4.2@9.925,76.33 9.925,79.805 C5.1@9.95,79.83 9.95,82.649 18.76,91.459 32.628,91.459 37,87.087 37,84.88 38.71,83.17 42.63,83.17
  Bottom Layer w1: U9.2@40.66,90.059 42.63,90.059 U9.2@46.76,90.059 46.76,95.649 TP33.1@49.38,98.269
+3V3_REF: C17.2 C44.1 C45.2 L6.2 R55.2 TP32.1 U8.13 | length 97.2
  Top Layer w0.3: v5(39.775,66.8) 39.775,60.725 31.499,52.449 31.499,34.796 32.843,33.452 39.855,33.452 40.992,34.589 40.992,35.924 41.015,35.9 ; v3(40.992,36.324) 41.304,36.011 ; v1@49.035,80.335 v1(49.035,80.375)
  Top Layer w0.5: v1(39.8,71.125) 39.825,71.125 v1@49.035,80.335
  Top Layer w2: C44.1@45.805,90.534 TP32.1@50.111,90.534 50.207,90.63 51.255,90.63 57.401,96.776 57.401,101.31 L6.2@57.88,101.789
  Bottom Layer w0.3: v5(39.775,66.8) v5@39.8,66.825 ; v3(40.992,36.324) 41.087,36.419 41.087,36.746 41.417,37.076 42.507,37.076
  Bottom Layer w0.5: v5@39.8,66.825 v1(39.8,71.125)
  Bottom Layer w1: v1(49.035,80.375) 49.035,89.198 50.111,90.274 TP32.1@50.111,90.534
+5: C6.2 C7.1 C20.2 C22.2 C24.2 C39.1 C40.2 C42.2 C49.1 C54.2 L3.1 L4.2 R76.1 R104.1 R132.1 TP29.1 U9.3 U11.3 U13.3 U13.8 U16.20 U21.3 U21.8 U32.3 U32.8 | length 669.3
  Top Layer w0.3: v3(33.314,42.073) 33.314,41.079 C24.2@33.317,41.076
  Top Layer w0.4: v1(113.125,90.125) 113.132,90.118 114.766,90.118 114.769,90.12 ; v1(113.125,213.35) 113.151,213.324 114.599,213.324 U32.3@114.625,213.299 ; v1(113.15,122.3) 113.159,122.309 115.141,122.309 ; v1(113.162,151.614) 114.939,151.614 ; v2(113.175,127) v1(113.175,145.3) 113.211,145.264 114.939,145.264 ; v1(113.198,55.5) 114.699,55.5 ; v1(113.2,245.55) 113.223,245.573 U13.3@114.887,245.573 ; v1(113.225,276.1) 113.255,276.13 114.807,276.13 U21.3@114.815,276.138 ; v1(113.243,183.444) 113.26,183.427 114.67,183.427 114.678,183.419 ; 114.699,61.85 v1(113.198,61.85) 112.075,62.973 112.075,68.3 113.15,69.375 v1(113.15,83.75) 113.163,83.763 114.761,83.763 114.769,83.77
  Top Layer w0.5: 27.55,113.275 27.625,113.35 ; v5(111.65,187.125) 111.625,187.15 111.625,205.393 v1(113.181,206.949) U32.8@114.625,206.949 ; v5(113.15,156) 113.162,156.012 v1(113.162,176.998) 113.232,177.068 114.677,177.068 ; v5(113.15,218.825) v1(113.15,239.225) 113.152,239.223 U13.8@114.887,239.223 ; v5(113.157,93.848) 113.159,93.849 v1(113.159,115.959) 115.141,115.959 ; v1@113.198,55.33 113.198,45.227 121.6,36.825 v5(121.675,36.825) ; v5(113.225,252.475) 113.254,252.504 v1(113.254,269.788) U21.8@114.815,269.788
  Top Layer w1: v1(19.35,144.35) 19.35,274.7 26.825,282.175 84.8,282.175 v1(84.825,282.15) ; v9(27.55,104.139) C39.1@27.55,106.822 27.55,113.275 ; v1(31.33,89.979) 31.33,92.429 C49.1@31.36,92.459 ; C49.1@32.36,92.419 v1(36.45,92.419) ; C49.1@32.36,92.459 C49.1@31.36,92.459 ; TP29.1@33.83,103.339 33.83,99.832 30.04,96.042 30.04,92.959 30.54,92.459 C49.1@31.36,92.459 ; v1(122.29,15.226) 122.29,6.335 L3.1@122.3,6.325
  Bottom Layer w0.3: 31.007,42.576 31.009,42.574 32.024,42.574 32.526,42.072 33.313,42.072 v3(33.314,42.073)
  Bottom Layer w0.5: v1(84.825,282.15) 84.85,282.175 107.15,282.175 v1(113.225,276.1) 113.254,276.071 v1(113.254,269.788) ; 95.89,33.775 95.94,33.825 97.927,33.825 ; 110.255,55.4 110.355,55.5 v1(113.198,55.5) v1(113.198,61.85) ; v5(111.65,187.125) 111.65,185.037 v1(113.243,183.444) 113.243,177.079 v1(113.162,176.998) R104.1@113.162,175.563 ; v1(113.15,83.75) 113.125,83.775 v1(113.125,90.125) 113.157,90.157 v5(113.157,93.848) ; v5(113.15,218.825) 113.15,213.375 v1(113.125,213.35) 113.125,207.004 v1(113.181,206.949) ; v5@113.162,155.509 v1(113.162,151.614) 113.162,145.313 v1(113.175,145.3) ; v2(113.175,127) 113.175,122.325 v1(113.15,122.3) 113.15,115.968 v1(113.159,115.959) 113.15,115.95 113.15,114.725 113.3,114.575 R132.1@113.347,114.575 ; v5(113.225,252.475) 113.225,245.575 v1(113.2,245.55) 113.19,245.54 113.19,239.265 v1(113.15,239.225) 113.181,239.194 113.181,237.92 113.323,237.778 R76.1@113.342,237.778 ; U16.20@115.615,33.25 C6.2@117.725,33.25
  Bottom Layer w1: v1(19.35,144.35) 33.83,129.87 TP29.1@33.83,103.699 33.79,103.739 C40.2@30.1,103.739 30,103.839 29.975,103.839 29.675,104.139 v9(27.55,104.139) ; U11.3@31.32,85.919 31.32,88.539 31.33,88.549 v1(31.33,89.979) ; v1(36.45,92.419) U9.3@40.6,92.419 ; 97.927,33.825 97.977,33.775 99.075,33.775 99.625,33.225 99.625,29.925 99.775,29.925 100.625,29.075 100.625,28.944 100.918,28.651 118.35,28.651 ; C6.2@117.725,33.25 117.8,33.325 C7.1@121.675,33.325 v5(121.675,36.825) ; C7.1@121.467,33.117 121.467,31.768 118.35,28.651 ; v1(122.29,15.226) 118.35,19.166 118.35,28.651
+5V_1: C11.1 C25.2 C38.1 J10.6 J13.6 J48.2 J49.2 J53.2 L4.1 L5.2 P1.3 P2.3 P3.3 P4.3 P5.3 P13.1 P14.1 P15.1 P16.1 R56.1 TP30.1 U5.5 X1.1 | length 476.8
  Top Layer w0.5: v1(11.3,117.375) 11.354,117.375 15.1,113.629 C38.1@16.1,113.629 ; J53.2@12.197,39.332 12.197,30.672 8.45,26.925 8.45,19.525 16.85,11.125 29.259,11.125 31.117,12.983 J49.2@31.117,17.496 ; J48.2@12.207,47.332 J48.2@12.257,47.282 ; 77.325,25.665 80.94,25.665 85.4,30.125 v2(124.925,30.125) ; v2(124.925,38.05) 126.775,39.9 171.55,39.9 177.493,33.957 v2(177.493,21.294)
  Top Layer w1: J48.2@12.207,47.332 12.207,58.932 22.012,68.737 J13.6@24.328,68.737 ; J53.2@12.257,39.375 J48.2@12.257,47.282 ; TP30.1@19.45,95.125 19.45,92.189 27.025,84.614 27.025,76.674 24.328,73.977 J13.6@24.328,68.737 ; P1.3@62.842,14.587 70.352,14.587 P16.1@75.555,19.79 ; P3.3@62.893,32.262 71.998,32.262 P15.1@75.555,28.705 77.325,28.705 ; P5.3@62.917,41.051 70.416,41.051 P13.1@75.555,46.19 ; P2.3@62.943,23.487 71.858,23.487 P16.1@75.555,19.79 ; 64.122,67.561 61.051,70.632 49.867,70.632 48.042,68.807 ; P14.1@75.555,37.375 77.325,37.375 ; J13.6@24.328,68.737 J10.6@31.828,68.737 47.972,68.737 48.042,68.807 ; 48.042,68.807 48.042,64.706 P4.3@62.867,49.881 71.864,49.881 P13.1@75.555,46.19 ; P16.1@75.555,19.79 77.325,21.56 77.325,25.665 77.325,28.705 ; P13.1@75.555,46.19 77.325,44.42 77.325,37.375 ; 77.325,28.705 77.325,37.375
  Top Layer w2: C38.1@16.1,113.629 C38.1@16.12,113.629 ; TP30.1@19.45,95.125 22,97.675 22,105.037 20.828,106.209 16.62,106.209 L5.2@16.12,106.709 C38.1@16.12,113.629 ; 22.625,113.35 22.346,113.629 C38.1@16.12,113.629
  Bottom Layer w0.5: R56.1@7.64,117.369 11.294,117.369 v1(11.3,117.375) ; v2(124.925,30.125) v2(124.925,38.05) ; v2(177.493,21.294) 177.493,20.184 177.786,19.891 C25.2@179.013,19.891 ; U5.5@179.063,21.618 179.063,19.941 C25.2@179.013,19.891 ; X1.1@192.275,18.9 190.675,17.3 180.4,17.3 179.013,18.687 C25.2@179.013,19.891
+5V_ISO: C9.1 R24.2 R26.2 R27.2 TP5.1 U2.4 U3.8 U4.10 U4.16 | length 63.4
  Top Layer w0.5: v3(152.592,27.25) 159.589,27.25 v3(160.207,26.632)
  Bottom Layer w0.5: U4.16@144.618,23.362 144.435,23.362 144.343,23.27 U2.4@144.343,18.847 147.599,18.847 148.754,20.002 TP5.1@148.858,20.002 151.342,22.486 151.342,23.632 152.192,24.482 152.442,24.482 R27.2@152.592,24.632 ; U4.10@144.618,30.982 144.656,30.944 147.281,30.944 149.153,29.072 149.807,29.072 150.25,28.629 151.213,28.629 v3(152.592,27.25) 152.592,24.782 152.587,24.777 R27.2@152.587,24.637 ; U3.8@155.937,15.097 155.937,16.497 156.346,16.906 164.306,16.906 ; v3(160.207,26.632) R26.2@160.207,24.632 163.306,24.632 164.306,23.632 164.306,16.906 ; R24.2@161.732,13.892 161.957,13.892 164.306,16.241 164.306,16.906